# Allegro board STARRYSKY.brd (continued)
## Routing (per net, layer and track width the routed paths; a pad name or vN(x,y) marks a point on that pad's centre or on a via; arc(x,y) is an arc through that point) (continued)
B34_L9_N: length 13.4
  TOP w0.203: U48.G8 v1(76.13,41.79)
  ART03 w0.203: v1(76.13,41.79) 76.13,41.03 76.69,40.46 77.6,40.46 77.93,40.13 80.06,40.13 80.55,40.62 82.08,40.62 84.38,42.92 v1(84.84,42.92)
  BOTTOM w0.203: v1(84.84,42.92) 84.38,42.92 84.21,42.75 J23.B30
B34_L9_P: length 12.3
  TOP w0.203: U48.J8 v1(77.17,39.94)
  ART03 w0.203: v1(84.54,42.35) 84.54,41.76 83.11,40.33 83.11,39.55 82.64,39.08 82.1,39.08 81.56,39.62 77.5,39.62 v1(77.17,39.94)
  BOTTOM w0.203: J23.B31 83.75,42.35 83.75,42.35 v1(84.54,42.35)
B34_L11_N: length 9.3
  TOP w0.203: U48.H9 77.62,41.1 77.71,41.1 v1(78.13,40.68)
  ART06 w0.203: v1(84.37,40.56) 83.86,41.07 78.52,41.07 v1(78.13,40.68)
  BOTTOM w0.203: J23.B34 83.78,41.15 v1(84.37,40.56)
B34_L11_P: length 10.7
  TOP w0.203: v1(75.29,39.88) 75.29,40.15 U48.J7
  ART06 w0.203: v1(82.29,39.54) 81.83,39.54 81.67,39.7 78.3,39.7 77.48,40.52 75.48,40.52 75.29,40.33 v1(75.29,39.88)
  BOTTOM w0.203: J23.B35 82.49,40.75 82.29,40.55 v1(82.29,39.54)
B34_L12_P: length 2.9
  BOTTOM w0.203: v1(85.9,38.69) 85.44,38.69 85.38,38.75 J23.B40
B34_L13_N: length 14.1
  TOP w0.203: U48.G7 75.53,42.38 v1(75.15,42.38)
  ART03 w0.203: v1(75.15,42.38) 76.33,42.38 77.6,41.11 81.6,41.11 83.24,42.76 83.24,43.47 83.64,43.87 84,43.87 84.22,43.66 v1(84.68,43.66)
  BOTTOM w0.203: J23.B27 83.92,43.95 84.22,43.66 v1(84.68,43.66)
B34_L14_N: length 10.8
  TOP w0.203: v1(79,42.02) 78.25,42.02 78.07,41.84 77.68,41.84 U48.G9
  ART03 w0.203: v1(79,42.02) 80.83,42.02 82.07,43.27 82.07,43.74 83.17,44.84 84.23,44.84 v1(84.59,45.19)
  BOTTOM w0.203: v1(84.59,45.19) 84.15,44.75 J23.B25
B34_L14_P: length 11.8
  TOP w0.203: U48.F8 v1(76.93,42.59)
  ART03 w0.203: v1(76.93,42.59) 77.96,41.55 81.27,41.55 82.61,42.89 82.61,43.53 83.43,44.35 v1(84.62,44.35)
  BOTTOM w0.203: v1(84.62,44.35) J23.B26
B34_L15_N: length 14.2
  TOP w0.203: U48.H7 v1(75.16,41.39)
  ART06 w0.203: v1(85.23,41.77) 84.4,41.77 84.09,42.08 79.58,42.08 78.64,43.02 76.62,43.02 75.49,41.89 75.49,41.71 v1(75.16,41.39)
  BOTTOM w0.203: v1(85.23,41.77) 84.21,41.77 84.02,41.95 J23.B32
B34_L15_P: length 10.7
  TOP w0.203: U48.H8 v1(76.93,40.99)
  ART06 w0.203: v1(84.78,41.2) 84.32,41.2 83.97,41.54 77.49,41.54 v1(76.93,40.99)
  BOTTOM w0.203: v1(84.78,41.2) 84.77,41.19 84.32,41.19 83.95,41.55 J23.B33
B34_L17_N: length 11
  TOP w0.203: v1(78.08,43.71) 77.95,43.58 77.53,43.58 U48.E9
  ART06 w0.203: v1(78.08,43.71) 79.29,43.71 80.42,42.57 82.09,42.57 83.21,43.69 83.21,46.18 v1(83.78,46.75)
  BOTTOM w0.203: v1(83.78,46.75) J23.B20
B34_L17_P: length 10.4
  TOP w0.203: U48.F7 v1(75.33,43.39)
  ART03 w0.203: v1(75.33,43.39) 75.94,44 77.09,44 77.82,43.26 78.8,43.26 80.87,45.33 80.87,45.71 81.49,46.34 v1(82.21,46.34)
  BOTTOM w0.203: v1(82.21,46.34) 82.22,46.35 J23.B21
B34_L18_N: length 8.8
  TOP w0.203: U48.E8 v1(76.13,43.39)
  ART03 w0.203: v1(76.13,43.39) 76.87,43.39 77.35,42.9 79.4,42.9 v1(82.06,45.55)
  BOTTOM w0.203: J23.B23 v1(82.06,45.55)
B34_L18_P: length 9.4
  TOP w0.203: v1(77.84,42.34) 77.84,42.47 U48.F9
  ART03 w0.203: v1(77.84,42.34) 78.65,42.34 78.81,42.5 80.58,42.5 81.51,43.43 81.51,43.86 82.95,45.3 v1(83.95,45.3)
  BOTTOM w0.203: v1(83.95,45.3) 83.8,45.15 J23.B24
B34_L19_P: length 7.9
  TOP w0.203: U48.F3 v1(72.93,43.39)
  BOTTOM w0.203: J23.A26 79.13,44.35 78.94,44.17 75.3,44.17 74.52,43.39 v1(72.93,43.39)
B34_L22_N: length 7.7
  TOP w0.203: U48.D9 v1(77.73,44.99)
  ART03 w0.203: v1(81.3,48.54) 79.31,46.55 79.31,46.23 79.07,45.99 78.63,45.99 78.6,45.96 78.59,45.96 78.32,45.69 78.32,45.68 78.06,45.42 78.06,45.32 v1(77.73,44.99)
  BOTTOM w0.203: J23.B16 82.15,48.35 81.96,48.54 v1(81.3,48.54)
B34_L22_P: length 9.4
  TOP w0.203: U48.D8 v1(76.93,44.99)
  ART03 w0.203: v1(76.93,44.99) 77.74,44.17 78.94,44.17 80.05,45.28 80.05,45.82 81.67,47.44 v1(81.67,48.07)
  BOTTOM w0.203: J23.B17 81.78,47.95 v1(81.67,48.07)
B35_L1_N: length 27.4
  TOP w0.203: U3.8 50.63,32.53 51.17,33.07 52.31,33.07 54.21,34.97 55.73,34.97 55.75,34.99 58.05,34.99 58.06,34.97 58.17,34.97 58.37,35.18 58.37,36.27 58.17,36.47 57.4,36.47 57.2,36.27 57.2,35.55 57,35.35 56.59,35.35 56.39,35.55 56.39,36.27 56.18,36.47 55.78,36.47 55.57,36.27 55.57,35.55 55.37,35.35 54.96,35.35 54.76,35.55 54.76,36.27 54.56,36.47 54.22,36.47 54.01,36.27 54.01,35.46 v1(52.64,34.09)
  BOTTOM w0.203: v1(52.64,34.09) 55.38,34.09 56.11,33.36 J24.A43
B35_L1_P: length 27.4
  TOP w0.203: U3.7 50.13,32.59 51.07,33.53 51.1,33.53 51.66,34.09 51.66,35.48 54.49,38.31 57.94,38.31 58.14,38.11 58.14,37.24 57.94,37.04 53.94,37.04 52.17,35.26 52.17,33.85 v1(51.84,33.53)
  BOTTOM w0.203: J24.A44 55.71,32.92 55.1,33.53 v1(51.84,33.53)
B35_L2_N: length 27.5
  TOP w0.203: v1(49.83,34.58) 50.14,34.27 50.14,34 49.97,33.84 49.66,33.84 49.24,34.25 49.24,34.89 51.55,37.2 51.55,37.48 51.23,37.8 50.9,37.8 47.92,34.82 47.92,34.54 48.12,34.33 48.55,34.33 49.12,33.76 49.12,33.42 48.63,32.92 U3.4
  BOTTOM w0.203: J24.A39 57.71,34.74 56.48,35.97 51.22,35.97 v1(49.83,34.58)
B35_L2_P: length 27.3
  TOP w0.203: v1(48.57,33.67) 47.9,32.99 44.29,32.99 43.22,31.91 43.22,31.17 43.74,30.65 44.2,30.65 44.44,30.88 44.44,31.56 44.72,31.85 45.01,31.85 45.48,31.38 45.77,31.38 46.76,32.37 46.76,32.37 46.9,32.51 46.9,32.51 46.97,32.58 47.9,32.58 48.13,32.35 U3.3
  BOTTOM w0.203: J24.A40 57.31,34.41 56.23,35.49 51.47,35.49 50.03,34.05 48.96,34.05 v1(48.57,33.67)
B35_L3_N: length 16.4
  TOP w0.203: J21.38 v1(45.09,23.99)
  BOTTOM w0.203: v1(45.09,23.99) 45.54,24.45 45.54,25.66 46.31,26.43 55.98,26.43 56.86,27.31 56.86,27.72 56.91,27.77 J24.B41
B35_L3_P: length 15.1
  TOP w0.203: J21.37 v1(45.09,25.18)
  BOTTOM w0.203: v1(45.09,25.18) 45.09,25.64 46.18,26.74 55.85,26.74 56.55,27.44 56.55,27.73 56.51,27.77 J24.B42
B35_L4_N: length 29.6
  TOP w0.203: U3.6 49.63,32.6 50.58,33.56 50.58,35.68 53.94,39.03 53.94,39.03 54.38,39.48 54.38,40.4 54.66,40.67 55.34,40.67 55.64,40.38 55.64,39.45 55.08,38.9 54.43,38.9 51.14,35.61 v1(51.14,34.37)
  BOTTOM w0.203: J24.A41 56.91,34.08 55.95,35.05 51.82,35.05 v1(51.14,34.37)
B35_L4_P: length 27.6
  TOP w0.203: U3.5 49.13,32.78 v1(49.63,33.27)
  BOTTOM w0.203: v1(49.63,33.27) 49.3,32.95 46.51,32.95 46.21,32.65 46.21,32.01 46.51,31.71 46.84,31.71 47.05,31.91 47.05,32.35 47.25,32.56 47.66,32.56 47.86,32.35 47.86,31.91 48.06,31.71 48.47,31.71 48.67,31.91 48.67,32.35 48.88,32.56 49.28,32.56 49.49,32.35 49.49,31.91 49.69,31.71 50.4,31.71 50.59,31.9 50.59,32.42 50.79,32.63 51.36,32.63 51.57,32.42 51.57,31.97 51.82,31.72 52.47,31.72 52.68,31.93 52.68,32.68 52.32,33.04 51.62,33.04 51.32,33.34 51.32,33.78 52.1,34.56 55.68,34.56 56.51,33.72 J24.A42
B35_L5_N: length 27.6
  TOP w0.203: U3.141 v1(43.65,34.88)
  BOTTOM w0.203: J24.A34 59.71,35.31 57.26,37.76 46.35,37.76 45.9,37.3 45.61,37.3 45.06,37.85 44.77,37.85 44.49,37.56 44.49,37.28 45.12,36.64 45.12,36.35 44.83,36.07 44.55,36.07 43.91,36.7 43.62,36.7 43.34,36.41 43.34,36.13 43.97,35.49 43.97,35.2 v1(43.65,34.88)
B35_L5_P: length 29.8
  TOP w0.203: U3.142 v1(42.62,34.38)
  BOTTOM w0.203: J24.A35 59.31,35.14 57.17,37.28 46.73,37.28 43.83,34.38 43.32,34.38 43.07,34.62 43.07,35.44 42.65,35.87 41.53,35.87 41.19,35.53 41.19,34.76 41.58,34.38 v1(42.62,34.38)
B35_L6_N: length 27.7
  TOP w0.203: U3.143 v1(43.8,33.88)
  BOTTOM w0.203: v1(43.8,33.88) 42.81,33.88 42.02,33.08 42.02,32.65 42.36,32.31 44.18,32.31 44.47,32.61 44.47,34.03 47.31,36.87 56.94,36.87 58.91,34.9 J24.A36
B35_L6_P: length 27.9
  TOP w0.203: U3.144 46.26,33.38 46.39,33.51 v1(47.18,33.51)
  BOTTOM w0.203: v1(47.18,33.51) 46.46,33.51 45.7,32.75 45.42,32.75 45.04,33.12 45.04,33.43 47.75,36.13 48.07,36.13 48.41,35.79 48.41,35.51 47.32,34.42 47.32,34.13 47.62,33.84 47.99,33.84 50.56,36.41 56.72,36.41 58.51,34.62 J24.A37
B35_L7_N: length 16.5
  TOP w0.203: J21.40 v1(43.81,23.99)
  BOTTOM w0.203: J24.B43 56.11,27.86 55.42,27.17 45.97,27.17 44.36,25.56 44.36,24.54 v1(43.81,23.99)
B35_L7_P: length 15.1
  TOP w0.203: J21.39 v1(43.81,25.18)
  BOTTOM w0.203: J24.B44 55.71,27.89 55.29,27.47 45.84,27.47 43.81,25.45 v1(43.81,25.18)
B35_L8_N: length 15.8
  TOP w0.203: J21.36 v1(46.35,23.99)
  BOTTOM w0.203: J24.B39 57.71,27.77 57.66,27.72 57.66,27 56.39,25.72 47.33,25.72 46.83,25.23 46.83,24.47 v1(46.35,23.99)
B35_L8_P: length 14.5
  TOP w0.203: J21.35 v1(46.35,25.18)
  BOTTOM w0.203: J24.B40 57.31,27.77 57.36,27.72 57.36,27.13 56.26,26.03 47.2,26.03 v1(46.35,25.18)
B35_L9_N: length 6.6
  TOP w0.203: 57.78,22.61 v1(57.78,23.99)
  BOTTOM w0.203: v1(57.78,23.99) 58.5,24.71 58.5,25.48 59.66,26.64 59.66,27.72 59.71,27.77 J24.B34
B35_L9_P: length 5.3
  TOP w0.203: 57.78,26.56 v1(57.78,25.18)
  BOTTOM w0.203: J24.B35 59.31,27.77 59.36,27.72 59.36,26.77 57.78,25.19 v1(57.78,25.18)
B35_L10_N: length 4.7
  TOP w0.203: J21.11 v1(61.59,25.18)
  BOTTOM w0.203: v1(61.59,25.18) 61.71,25.3 J24.B29
B35_L10_P: length 6.1
  TOP w0.203: J21.12 v1(61.59,23.99)
  BOTTOM w0.203: J24.B30 61.31,25.55 61.14,25.37 61.14,24.45 v1(61.59,23.99)
B35_L11_N: length 6.4
  TOP w0.203: J21.16 v1(59.05,23.99)
  BOTTOM w0.203: J24.B32 60.51,27.77 60.46,27.72 60.46,26.22 59.6,25.35 59.6,24.53 v1(59.05,23.99)
B35_L11_P: length 5.1
  TOP w0.203: J21.15 v1(59.05,25.18)
  BOTTOM w0.203: v1(59.05,25.18) 59.05,25.24 60.16,26.35 60.16,27.72 60.11,27.77 J24.B33
B35_L12_N: length 6.8
  TOP w0.203: J21.20 v1(56.52,23.99)
  BOTTOM w0.203: v1(56.52,23.99) 56.97,24.45 56.97,25.21 58.87,27.1 58.87,27.72 58.91,27.77 J24.B36
B35_L12_P: length 5.6
  TOP w0.203: J21.19 v1(56.52,25.18)
  BOTTOM w0.203: v1(56.52,25.18) 56.66,25.18 56.67,25.19 56.67,25.33 58.56,27.22 58.56,27.72 58.51,27.77 J24.B37
B35_L13_N: length 4.8
  TOP w0.203: J21.9 v1(62.87,25.18)
  BOTTOM w0.203: J24.B27 62.51,27.77 62.46,27.72 62.46,25.58 v1(62.87,25.18)
B35_L13_P: length 6.1
  TOP w0.203: J21.10 v1(62.87,23.99)
  BOTTOM w0.203: J24.B28 62.11,27.77 62.16,27.72 62.16,24.7 v1(62.87,23.99)
B35_L14_N: length 27.7
  TOP w0.203: v1(52.27,40.04) 52.27,41.96 52.07,42.16 51.66,42.16 51.5,42 51.5,40.26 51.22,39.98 50.46,39.98 47.36,36.88 U3.137
  BOTTOM w0.203: J24.A29 61.71,35.83 57.5,40.04 v1(52.27,40.04)
B35_L14_P: length 29.8
  TOP w0.203: U3.138 47.68,36.38 v1(50.78,39.48)
  BOTTOM w0.203: J24.A30 61.31,35.5 57.33,39.48 51.83,39.48 51.32,39.99 49.71,39.99 49.36,39.64 48.06,39.64 47.86,39.43 47.86,39.15 48.05,38.96 49.37,38.96 49.89,39.48 v1(50.78,39.48)
B35_L15_N: length 5.2
  TOP w0.203: J21.3 v1(66.67,25.18)
  BOTTOM w0.203: v1(66.67,25.18) 65.26,26.59 65.26,27.72 65.31,27.77 J24.B20
B35_L15_P: length 6.6
  TOP w0.203: J21.4 v1(66.67,23.99)
  BOTTOM w0.203: J24.B21 64.91,27.77 64.96,27.72 64.96,26.47 66.22,25.21 66.22,24.45 v1(66.67,23.99)
B35_L16_N: length 5.1
  TOP w0.203: J21.5 v1(65.41,25.18)
  BOTTOM w0.203: v1(65.41,25.18) 65.29,25.18 64.46,26.01 64.46,27.72 64.51,27.77 J24.B22
B35_L16_P: length 6.4
  TOP w0.203: J21.6 v1(65.41,23.99)
  BOTTOM w0.203: J24.B23 64.11,27.77 64.16,27.72 64.16,25.88 64.68,25.36 64.68,24.71 v1(65.41,23.99)
B35_L17_N: length 5
  TOP w0.203: J21.7 v1(64.14,25.18)
  BOTTOM w0.203: v1(64.14,25.18) 64.14,25.29 63.26,26.16 63.26,27.72 63.31,27.77 J24.B25
B35_L17_P: length 6.3
  TOP w0.203: J21.8 v1(64.14,23.99)
  BOTTOM w0.203: J24.B26 62.91,27.77 62.96,27.72 62.96,26.04 63.58,25.42 63.58,24.55 v1(64.14,23.99)
B35_L18_N: length 5.4
  TOP w0.203: 67.94,26.56 v1(67.94,25.18)
  BOTTOM w0.203: J24.B18 66.11,27.77 66.06,27.72 66.06,27.43 67.94,25.55 v1(67.94,25.18)
B35_L18_P: length 6.8
  TOP w0.203: 67.94,22.61 v1(67.94,23.99)
  BOTTOM w0.203: v1(67.94,23.99) 67.23,24.71 67.23,25.83 65.76,27.31 65.76,27.72 65.71,27.77 J24.B19
B35_L19_N: length 27.8
  TOP w0.203: U3.135 46.78,37.88 48.52,39.62 48.52,40.46 48.84,40.78 49.41,40.78 49.63,40.56 49.63,40.27 49.46,40.1 v1(49,40.1)
  BOTTOM w0.203: v1(49,40.1) 50.02,41.11 57.56,41.11 62.51,36.16 J24.A27
B35_L19_P: length 27.7
  TOP w0.203: v1(50.99,40.5) 50.99,41.96 50.78,42.16 50.39,42.16 50.19,41.96 50.19,40.24 47.33,37.38 U3.136
  BOTTOM w0.203: v1(50.99,40.5) 57.61,40.5 62.11,36 J24.A28
B35_L20_N: length 27.6
  TOP w0.203: v1(51.61,39.02) 50.97,39.02 47.83,35.88 U3.139
  BOTTOM w0.203: J24.A32 60.51,35.64 57.06,39.09 55.5,39.09 55.3,38.88 55.3,38.77 55.1,38.57 54.69,38.57 54.49,38.77 54.49,38.88 54.28,39.09 53.88,39.09 53.67,38.88 53.67,38.77 53.47,38.57 53.06,38.57 52.86,38.77 52.86,38.88 52.66,39.09 52.33,39.09 51.38,38.14 50.14,38.14 49.94,38.34 49.94,38.77 50.19,39.02 v1(51.61,39.02)
B35_L20_P: length 28.4
  TOP w0.203: U3.140 47.84,35.38 50.67,38.21 51.46,38.21 52.73,39.48 52.73,40.96 52.99,41.22 53.55,41.22 53.83,40.94 53.83,39.89 v1(52.16,38.21)
  BOTTOM w0.203: v1(52.16,38.21) 57.37,38.21 60.11,35.47 J24.A33
B35_L21_N: length 30.6
  TOP w0.203: v1(48.21,41.45) 48.21,42.71 48.01,42.91 47.71,42.91 47.51,42.71 47.51,41.39 47.68,41.21 47.68,40.19 46.37,38.88 U3.133
  BOTTOM w0.203: J24.A25 63.31,36.72 57.85,42.18 48.94,42.18 v1(48.21,41.45)
B35_L21_P: length 30
  TOP w0.203: v1(49.2,41.23) 49.2,41.69 49.46,41.95 49.46,42.7 49.26,42.9 48.9,42.9 48.73,42.72 48.73,41.32 48.06,40.66 48.06,40 46.45,38.38 U3.134
  BOTTOM w0.203: v1(49.2,41.23) 49.66,41.69 57.68,41.69 62.91,36.45 J24.A26
B35_L23_P: length 28.6
  TOP w0.203: U3.126 v1(46.4,42.38)
  BOTTOM w0.203: J24.A21 64.91,37.21 58.38,43.74 48.22,43.74 46.85,42.38 v1(46.4,42.38)
B35_L24_N: length 29.6
  TOP w0.203: v1(46.61,41.79) 46.61,40.24 46.26,39.88 U3.131
  BOTTOM w0.203: J24.A22 64.51,36.95 58.26,43.2 48.48,43.2 47.07,41.79 v1(46.61,41.79)
B35_L24_P: length 28.4
  TOP w0.203: U3.132 46.29,39.38 47.16,40.25 v1(47.16,40.95)
  BOTTOM w0.203: J24.A23 64.11,36.65 58.1,42.67 48.68,42.67 47.48,41.47 47.48,41.27 v1(47.16,40.95)
B35_L25: length 27.6
  TOP w0.203: v1(53.2,32.67) 53.69,33.16 60.09,33.16 60.3,33.37 60.3,34.45 60.09,34.66 59.13,34.66 58.93,34.45 58.93,33.78 58.73,33.58 58.32,33.58 58.12,33.78 58.12,34.45 57.92,34.66 57.51,34.66 57.31,34.45 57.31,33.78 57.1,33.58 56.7,33.58 56.49,33.78 56.49,34.45 56.29,34.66 55.88,34.66 55.68,34.45 55.68,33.78 55.48,33.58 55.07,33.58 54.87,33.78 54.87,34.31 54.66,34.51 54.38,34.51 52.54,32.67 51.3,32.67 51.13,32.51 U3.9
  BOTTOM w0.203: J24.A45 55.31,32.42 55.06,32.67 v1(53.2,32.67)
CLK_CFG0: length 76.6
  TOP w0.203: SW5.9 v1(90.9,24.2) ; U3.100 v1(51.13,55.12)
  ART06 w0.203: v1(51.13,55.12) 51.13,57.26 52.56,58.68 58.38,58.68 58.39,58.69 58.77,58.69 58.78,58.68 60.03,58.68 61.43,57.27 73.32,57.27 73.99,56.6 76.48,56.6 76.89,57.01 82.87,57.01 89.33,50.55 89.33,36.11 88.26,35.04 88.26,27.18 89.17,26.27 89.17,25.79 89.4,25.56 89.92,25.56 90.21,25.27 90.21,24.88 v1(90.9,24.2)
CLK_CFG1: length 71.6
  TOP w0.203: v1(89.63,24.2) SW5.10 ; U3.99 v1(51.63,54.11)
  ART06 w0.203: v1(51.63,54.11) 53.14,52.59 60.43,52.59 61.62,53.78 71.76,53.78 72.47,53.08 78.13,53.08 78.46,52.75 82.38,52.75 83.35,51.77 83.35,51.2 v1(83.91,50.64)
  BOTTOM w0.203: v1(89.63,24.2) 89.06,24.76 89.06,27.19 88.72,27.54 88.72,31.52 91.56,34.36 91.56,37.21 89.79,38.98 89.79,44.53 90.91,45.65 90.91,46.5 88.33,49.08 85.47,49.08 v1(83.91,50.64)
CLK_CFG2: length 72.3
  TOP w0.203: SW5.11 v1(88.36,24.2) ; U3.98 v1(52.13,55.12)
  ART06 w0.203: v1(88.36,24.2) 87.61,24.95 87.61,35.33 88.91,36.64 88.91,36.93 88.76,37.08 88.76,49.09 86.63,51.22 86.63,52.56 82.69,56.5 77.27,56.5 76.92,56.16 73.46,56.16 72.79,56.82 60.92,56.82 60.32,57.42 53.43,57.42 52.13,56.12 v1(52.13,55.12)
CLK_CFG3: length 72.7
  TOP w0.203: U3.97 v1(52.63,54.11) ; SW5.12 v1(87.09,24.2)
  ART06 w0.203: v1(52.63,54.11) 53.62,53.12 60.07,53.12 61.16,54.21 72.17,54.21 72.66,53.72 82.62,53.72 84.64,51.7 84.64,49.59 86.45,47.78 86.45,41.95 86.18,41.68 86.18,40.68 83.12,37.62 83.12,27.19 82.07,26.14 82.07,23.95 82.82,23.2 85.57,23.2 86.56,24.2 v1(87.09,24.2)
CLK_CFG4: length 70.5
  TOP w0.203: v1(53,55.11) 53,54.53 53.13,54.41 U3.96 ; SW5.13 v1(85.82,24.2)
  ART06 w0.203: v1(85.82,24.2) 86.61,24.99 86.61,35.99 88.28,37.66 88.28,48.72 86.11,50.9 86.11,52.38 82.52,55.97 77.56,55.97 77.25,55.66 73.07,55.66 72.44,56.29 68.93,56.29 68.48,55.85 60.82,55.85 59.85,56.82 56.39,56.82 55.82,56.24 53.68,56.24 53,55.57 v1(53,55.11)
CLK_CFG5: length 69.7
  TOP w0.203: U3.95 v1(53.63,54.11) ; SW5.14 v1(84.55,24.2)
  ART06 w0.203: v1(84.55,24.2) 84.01,23.66 83.02,23.66 82.64,24.04 82.64,25.75 84.5,27.6 84.5,36.59 87.17,39.27 87.17,47.99 85.15,50.01 85.15,51.88 82.86,54.17 73.03,54.17 72.08,55.13 70.09,55.13 69.72,54.76 60.98,54.76 59.85,53.62 57.05,53.62 56.05,54.62 55.37,54.62 54.86,54.11 v1(53.63,54.11)
CLK_CFG6: length 68.1
  TOP w0.203: U3.94 v1(54.13,54.82) ; SW5.15 v1(83.28,24.2)
  ART06 w0.203: v1(83.28,24.2) 83.91,24.83 83.91,26.09 85.43,27.6 85.43,35.76 87.72,38.05 87.72,48.37 85.6,50.49 85.6,52.13 82.23,55.5 77.91,55.5 77.41,55 72.95,55 72.21,55.74 69.17,55.74 68.8,55.36 59.69,55.36 59.42,55.64 54.95,55.64 v1(54.13,54.82)
CORE_DIP0: length 55.4
  TOP w0.203: U3.79 v1(61.63,51.65) ; SW7.7 v1(78.49,24.1)
  ART03 w0.203: v1(78.49,24.1) 83.14,28.74 83.14,37.96 85.7,40.52 85.7,44.83 84.69,45.85 84.69,46.62 83.78,47.53 v1(83.78,48.17)
  ART06 w0.203: v1(83.78,48.17) 82.71,48.17 82.14,47.6 80.63,47.6 77.44,50.79 75.14,50.79 74.62,51.32 74.02,51.32 73.63,50.93 70.98,50.93 70.33,51.58 67.59,51.58 66.82,52.35 62.32,52.35 v1(61.63,51.65)
CORE_DIP1: length 56.1
  TOP w0.203: R41.1 SW7.8 77.22,21.75 77.42,21.55 79.15,21.55 80.45,22.84 80.45,33.03 81.8,34.38 81.8,43.8 79.52,46.08 79.52,48.07 77.71,49.88 76.15,49.88 74.83,48.56 v1(74.83,47.44) ; U3.78 v1(62.13,50.9)
  ART06 w0.203: v1(74.83,47.44) 73.82,48.45 65.54,48.45 63.67,50.32 62.71,50.32 v1(62.13,50.9)
CORE_DIP2: length 59.4
  TOP w0.203: U3.77 v1(62.63,51.65) ; v1(75.95,24.1) SW7.9
  ART06 w0.203: v1(84.61,48.12) 84.13,47.64 82.81,47.64 81.66,46.49 80.35,46.49 79.98,46.86 79.98,47.5 77.2,50.28 74.11,50.28 73.93,50.45 66.51,50.45 65.31,51.65 v1(62.63,51.65)
  BOTTOM w0.203: v1(84.61,48.12) 86.23,48.12 88.28,46.07 88.28,37.49 76.54,25.75 76.54,24.68 v1(75.95,24.1)
CORE_DIP3: length 60.4
  TOP w0.203: v1(74.68,24.1) SW7.10 ; U3.76 v1(63.13,50.9)
  ART06 w0.203: v1(63.13,50.9) 64.58,50.9 65.98,49.5 70.54,49.5 70.66,49.61 77.15,49.61 79.24,47.52 79.24,46.77 80.98,45.03 82.29,45.03 82.72,45.47 82.72,46.52 83.42,47.21 84.72,47.21 v1(85.05,47.53)
  BOTTOM w0.203: v1(85.05,47.53) 85.94,47.53 87.47,46 87.47,37.53 80.64,30.7 80.21,30.7 75.23,25.72 75.23,24.64 v1(74.68,24.1)
FLASH_CLK: length 7.3
  TOP w0.203: J6.6 52.31,3.35 51.19,4.48 U11.4
FLASH_CS: length 19.9
  TOP w0.203: v1(54.85,8.84) J6.1 54.85,11.71 54.14,12.42 R61.2 ; U10.4 v1(42.87,7.25)
  ART03 w0.203: v1(54.85,8.84) 52.36,6.34 43.78,6.34 v1(42.87,7.25)
FLASH_MISO: length 8.5
  TOP w0.203: J6.2 v1(53.58,8.84) ; U14.4 v1(47.62,7.25)
  ART03 w0.203: v1(47.62,7.25) 49.32,7.25 49.67,7.6 52.34,7.6 v1(53.58,8.84)
FLASH_MOSI: length 9
  TOP w0.203: J6.5 51.04,2.93 50.23,3.74 44.56,3.74 43.83,4.48 U12.4
FPGA_TCK: length 55.5
  TOP w0.203: J8.1 6.91,21.64 6.91,22.12 9.55,24.76 U18.10 U18.1 12.09,24.76 12.14,24.8 12.22,24.8 12.42,25 12.42,25.45 12.3,25.57 v1(12.3,25.78)
  BOTTOM w0.203: J24.A50 52.98,31.64 52.49,31.15 36.2,31.15 35.92,31.42 28.61,31.42 24.52,27.34 21.12,27.34 19.86,26.08 19.36,26.08 19.02,26.42 13.18,26.42 12.82,26.78 11.72,26.78 11.51,26.57 11.51,26.05 11.78,25.78 v1(12.3,25.78)
FPGA_TDI: length 55.6
  TOP w0.203: v1(13.09,24.78) 12.77,25.1 12.77,26.26 12.27,26.76 U18.5 U18.6 8.99,26.76 5.94,29.81 J8.9
  BOTTOM w0.203: v1(13.09,24.78) 13.55,24.32 19.44,24.32 21.53,26.41 25.16,26.41 28.51,29.76 36.53,29.76 37.11,30.34 53.56,30.34 54.11,30.89 J24.A48
FPGA_TDO: length 53.9
  TOP w0.203: v1(11.96,25.26) U18.2 U18.9 7.99,25.26 J8.3
  BOTTOM w0.203: v1(11.96,25.26) 13.53,23.69 20.43,23.69 22.63,25.89 25.36,25.89 28.2,28.73 36.35,28.73 37.55,29.93 53.68,29.93 54.51,30.76 J24.A47
FPGA_TMS: length 51.4
  TOP w0.203: v1(11.96,26.26) U18.4 U18.7 7.48,26.26 6.97,25.76 J8.5
  BOTTOM w0.203: J24.A49 53.71,31.06 53.4,30.75 36.69,30.75 36.31,30.37 28.33,30.37 24.86,26.91 21.36,26.91 19.72,25.27 13.62,25.27 12.63,26.26 v1(11.96,26.26)
HFP_BOOT0: length 7.8
  TOP w0.203: U16.44 29.12,9.56 28.88,9.33 R58.1 SW10.2 SW10.1
HFP_NRST: length 14.3
  TOP w0.203: C74.1 SW9.1 ; SW9.1 29.44,5.26 31.28,7.1 34.6,7.1 34.81,6.89 U16.7 ; SW9.1 SW9.2
HFP_PA2: length 3.7
  TOP w0.203: U16.12 37.31,5.52 37.53,5.31 39.21,5.31 39.71,4.8 R59.1
HFP_SPI1_CLK: length 22.8
  TOP w0.203: U11.1 v1(45.68,5.78) ; U13.7 v1(52.09,19.19)
  BOTTOM w0.203: v1(52.09,19.19) 52.41,18.87 52.85,18.87 54.18,17.54 54.18,16.12 54.54,15.76 54.54,15.24 53.55,14.24 53.55,9.67 53.13,9.25 53.13,8.86 50.04,5.78 v1(45.68,5.78)
HFP_SPI1_CS: length 19.8
  TOP w0.203: U10.1 v1(40.93,8.55) ; U13.6 v1(52.74,18.33)
  ART06 w0.203: v1(52.74,18.33) 52.28,18.33 51.83,18.78 51.02,18.78 50.31,18.07 50.31,17.47 43.31,10.47 43.31,9.67 42.2,8.55 v1(40.93,8.55)
HFP_SPI1_MISO: length 15.2
  TOP w0.203: U13.8 v1(51.44,18.32) ; U14.1 v1(45.68,8.55)
  ART06 w0.203: v1(45.68,8.55) 46.76,9.63 46.76,10.22 46.4,10.57 46.4,12.8 51.44,17.83 v1(51.44,18.32)
HFP_SPI1_MOSI: length 21.3
  TOP w0.203: U13.9 v1(50.79,19.19) ; U12.1 41.06,5.78 40.13,6.71 v1(40.13,7.52)
  ART06 w0.203: v1(50.79,19.19) 48.45,19.19 42.89,13.63 42.89,12.81 40.13,10.05 v1(40.13,7.52)
HFP_SWCLK: length 5.4
  TOP w0.203: TP6.1 29.03,15.91 29.03,13.41 29.38,13.06 U16.37
HFP_SWDIO: length 7
  TOP w0.203: TP5.1 29.65,16.45 29.65,15.12 31.37,13.39 32.61,13.39 32.81,13.59 U16.34
MAIN_DN: length 30.3
  TOP w0.203: v1(61.64,6.62) 61.8,6.77 J1.B7 61.8,8.85 62.08,9.14 62.54,9.14 62.8,8.88 J1.A7 ; U9.4 43.02,10.02 v1(42.85,9.86)
  ART03 w0.203: v1(42.85,9.86) 44.11,9.86 44.32,9.65 44.32,8.38 44.95,7.74 48.06,7.74 50.43,10.11 60.94,10.11 61.49,9.56 61.49,8.21 61.88,7.82 61.88,6.85 v1(61.64,6.62)
MAIN_DP: length 29.6
  TOP w0.203: v1(62.3,8.65) J1.A6 62.3,6.8 v1(62.48,6.62) ; U7.4 46.25,10.02 v1(46.09,9.86) ; v1(63.3,8.65) J1.B6
  ART03 w0.203: v1(46.09,9.86) 44.83,9.86 44.62,9.65 44.62,8.5 45.08,8.05 47.94,8.05 50.3,10.41 61.07,10.41 61.79,9.68 61.79,8.34 62.18,7.95 62.18,6.91 v1(62.48,6.62) ; v1(62.3,8.65) v1(63.3,8.65)
MR: length 22
  TOP w0.203: C85.1 37.92,24.83 37.63,25.11 SW14.2 SW14.1 41.79,25.11 41.51,24.83 v1(41.02,24.83)
  BOTTOM w0.203: v1(41.02,24.83) 44.97,28.77 52.66,28.77 52.98,28.44 J24.B50
OSC_25M_IN: length 18.2
  TOP w0.203: R13.2 v1(42.3,58.35) ; U3.91 v1(55.63,54.11)
  ART03 w0.203: v1(55.63,54.11) 55.63,55.14 54.59,56.19 52.26,56.19 51.81,55.74 44.45,55.74 42.3,57.89 v1(42.3,58.35)
OSC_100M_IN: length 19.8
  TOP w0.203: R5.2 v1(41.15,49.65) ; U3.88 57.13,51.71 57.3,51.55 v1(57.3,51.09)
  ART03 w0.203: v1(41.15,49.65) 41.15,50.44 41.43,50.72 43.45,50.72 43.65,50.53 56,50.53 56.57,51.09 v1(57.3,51.09)
PA_CTRL: length 22.8
  TOP w0.203: v1(96.81,48.17) 97.35,47.63 U51.1 ; U49.1 v1(97.41,38) ; SW19.2 87.87,44.36 88.15,44.65 v1(91.4,44.65) R162.2
  BOTTOM w0.203: v1(96.81,48.17) 93.29,44.65 v1(91.4,44.65) 91.4,44 v1(97.41,38)
PA_INLN: length 2
  TOP w0.203: U49.4 96.73,35.51 96.11,34.9 R167.1
PA_INLP: length 1.9
  TOP w0.203: U49.3 95.9,36.16 R166.1
PA_INRN: length 1.8
  TOP w0.203: R172.1 96.3,45.66 96.33,45.68 U51.4
PA_INRP: length 1.9
  TOP w0.203: R171.1 95.95,46.33 U51.3
PA_OUTLN: length 2
  TOP w0.203: R177.1 102.99,35.51 U49.5
PA_OUTLP: length 2
  TOP w0.203: U49.8 103.01,37.46 R175.1
PA_OUTRN: length 2
  TOP w0.203: U51.5 103,45.68 R180.1
PA_OUTRP: length 2
  TOP w0.203: R178.1 103,47.63 U51.8
PERIP_SEL: length 67.6
  TOP w0.203: U30.6 v1(26,65.19) ; U33.6 v1(36.14,65.19) ; U40.6 v1(40.66,65.94) ; U26.6 v1(53.89,65.19) ; U32.6 v1(20.93,65.19) ; U27.6 v1(51.35,65.19) ; U31.6 v1(23.46,65.19) ; U37.6 v1(48.82,65.19) ; U38.6 v1(46.28,65.19) ; U35.6 v1(33.61,65.19) ; U36.6 v1(31.07,65.19) ; U29.6 v1(28.54,65.19) ; U45.6 v1(56.42,65.19) ; SW17.2 v1(19.98,72.43) ; U44.6 v1(58.96,65.19) ; U39.6 v1(43.75,65.19) ; U34.6 v1(38.68,65.19)
  ART03 w0.203: v1(20.93,65.19) 21.42,65.68 22.97,65.68 v1(23.46,65.19) 24,65.72 25.47,65.72 v1(26,65.19) 26.45,65.63 26.45,65.63 26.46,65.64 28.08,65.64 v1(28.54,65.19) 29.1,65.75 30.51,65.75 v1(31.07,65.19) 31.56,65.68 33.11,65.68 v1(33.61,65.19) 34.19,65.77 35.56,65.77 v1(36.14,65.19) 36.72,65.77 38.1,65.77 v1(38.68,65.19) 39.43,65.94 v1(40.66,65.94) 42.99,65.94 v1(43.75,65.19) 44.29,65.73 45.74,65.73 v1(46.28,65.19) 46.79,65.7 48.3,65.7 v1(48.82,65.19) 49.34,65.71 50.82,65.71 v1(51.35,65.19) 51.85,65.69 53.39,65.69 v1(53.89,65.19) 54.4,65.7 55.91,65.7 v1(56.42,65.19) 56.92,65.68 58.46,65.68 v1(58.96,65.19)
  BOTTOM w0.203: v1(19.98,72.43) 19.98,65.68 20.47,65.19 v1(20.93,65.19)
PG_1V35: length 64.7
  TOP w0.203: R11.1 105.37,16.76 104.31,15.7 93.03,15.7 91.12,13.79 81.03,13.79 80.2,14.62 80.2,16.18 76.67,19.71 71.49,19.71 69.47,21.73 69.47,26.94 68.46,27.95 54.94,27.95 54.35,28.54 v1(54.35,29.36)
  BOTTOM w0.203: J24.B47 54.51,29.2 v1(54.35,29.36)
PL_UART_VBUS: length 7.3
  TOP w0.305: J19.A4B9 80.92,78.96 79.56,80.32 77.45,80.32 76.12,78.99 J19.B4A9
PLL_CFG0: length 57.7
  TOP w0.203: v1(90.9,35.4) SW4.5 ; U3.101 v1(50.63,54.11)
  ART06 w0.203: v1(50.63,54.11) 52.66,52.07 60.72,52.07 61.71,53.06 68.04,53.06 68.53,52.57 70.39,52.57 71.25,51.71 71.95,51.71 72.29,52.06 77.04,52.06 79.88,49.22 81.3,49.22 81.79,48.73 82.84,48.73 83.34,49.23 84.26,49.23 84.85,48.65 v1(84.85,48.65)
  BOTTOM w0.203: v1(84.85,48.65) 86.54,48.65 89.07,46.12 89.07,36.64 89.59,36.12 90.18,36.12 v1(90.9,35.4)
